# KiCad board JumperlessRev3point1.kicad_pcb (continued)
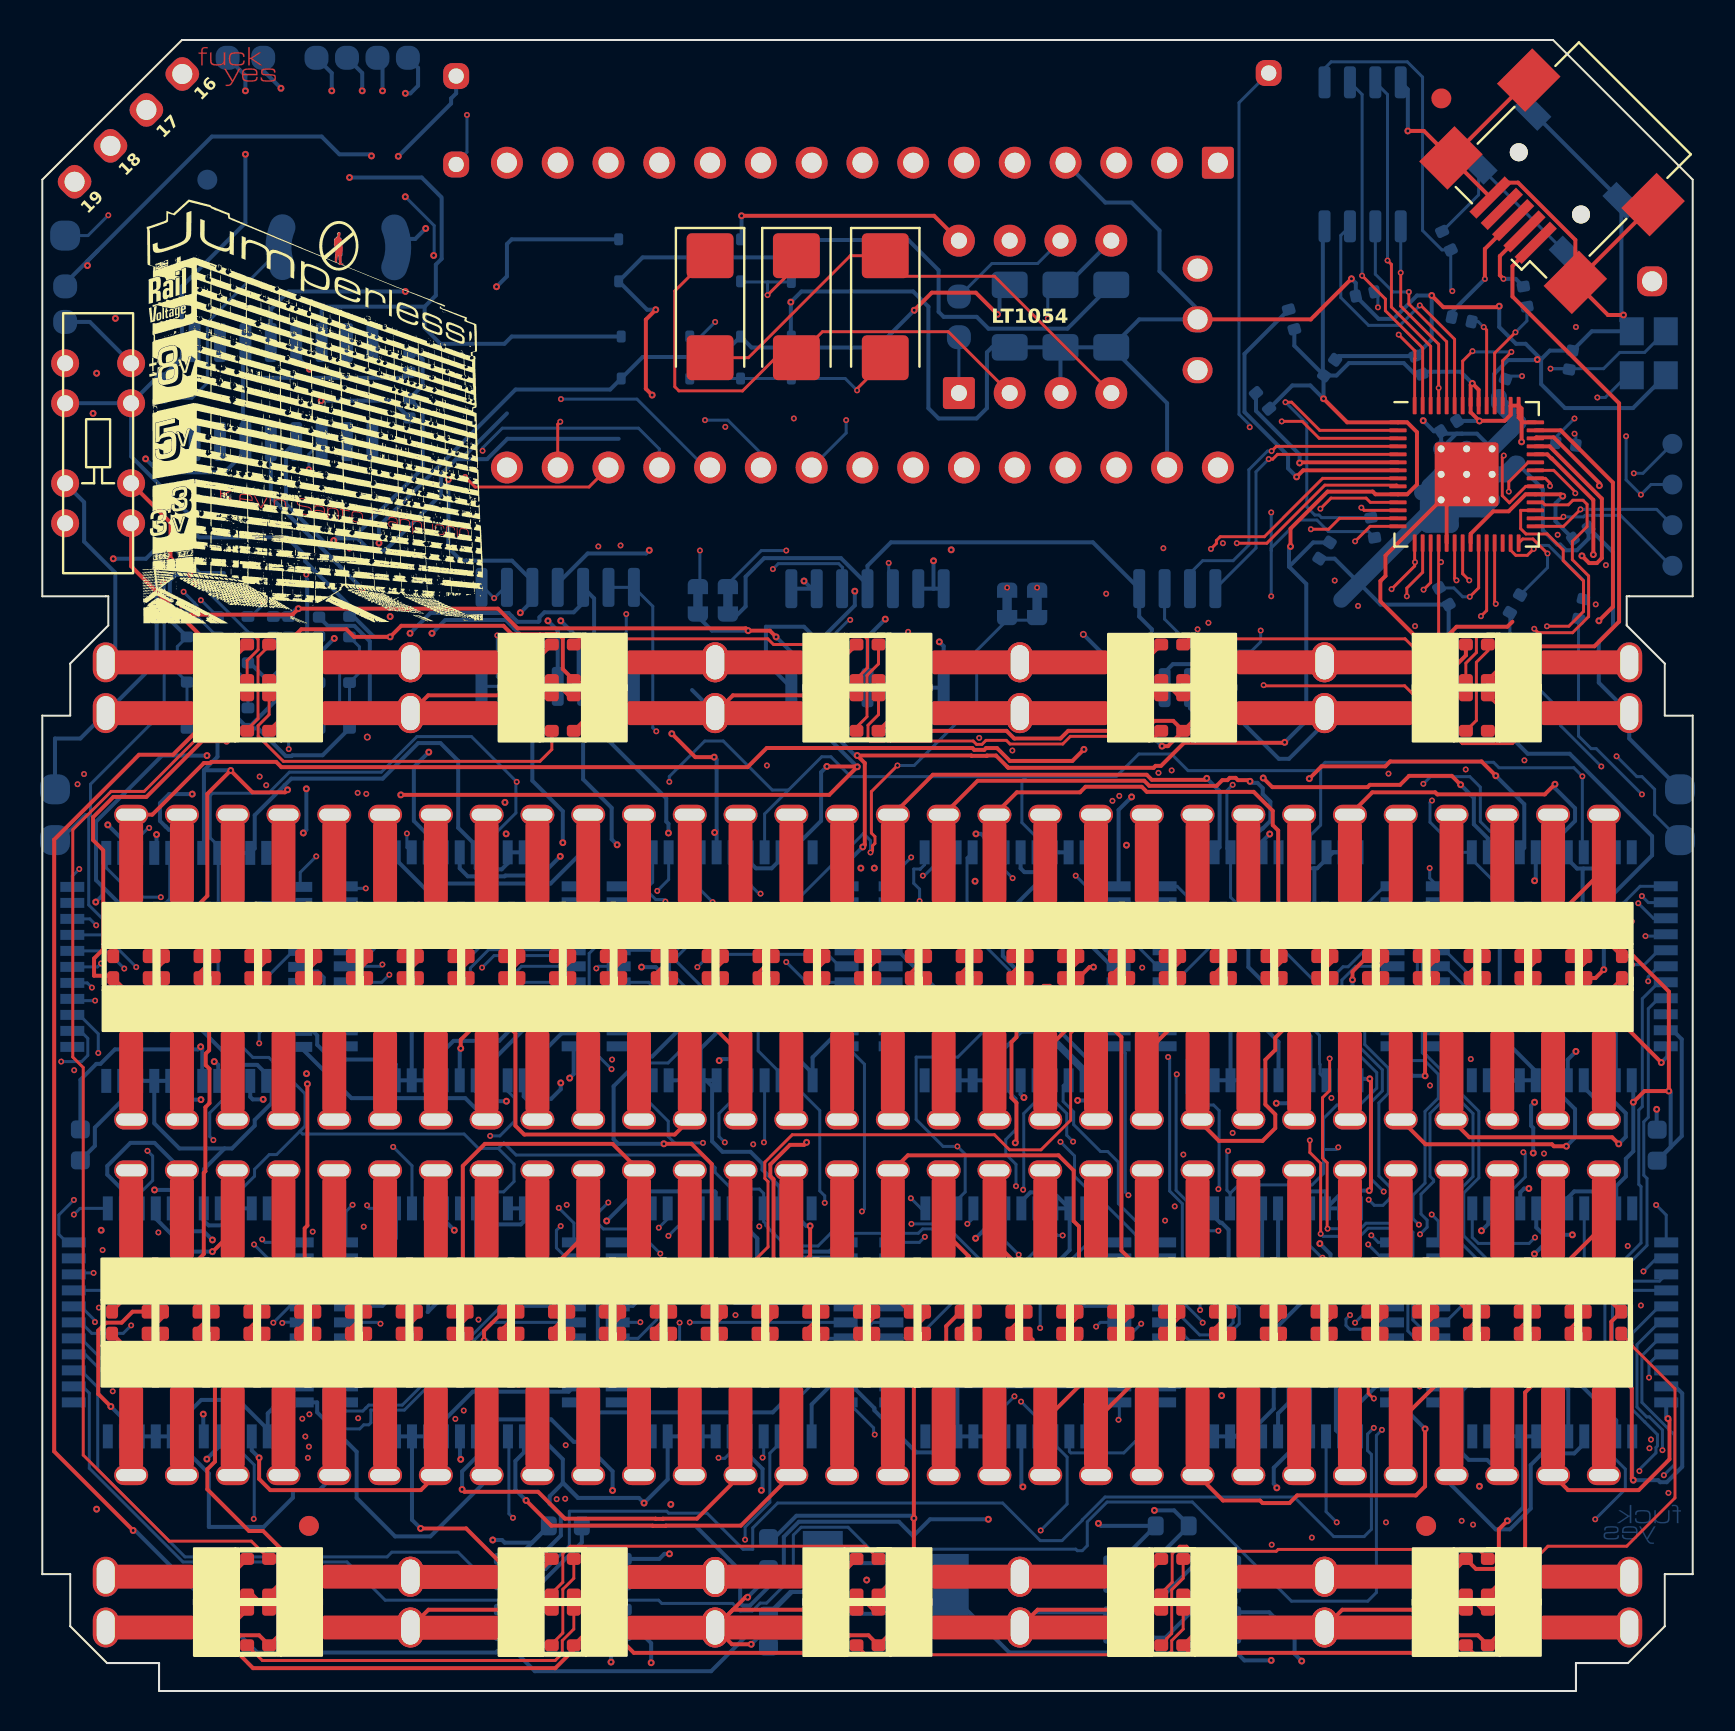
[diagram p0: board, top side]
## Routing (per net, layer and track width the routed paths; a pad name or vN(x,y) marks a point on that pad's centre or on a via; arc(x,y) is an arc through that point) (continued)
  Bottom w0.2: v2(38.69,16.09) 36.53,13.93 27.09,13.93 F5.11
47: length 40.6
  Top w0.2: J4.48 43.3,26.78 50.83,26.78 51.59,26.02 51.59,23.5 51.86,23.23 51.86,21.6 52.17,21.29 54.22,21.29 54.8,20.7 59.26,20.7 v2(59.33,20.78)
  In2.Cu w0.2: J4.48 42.55,19.09 42.53,19.11 42.53,20.39 42.55,20.41 J4.48
  Bottom w0.2: 58.61,23.72 58.92,23.41 58.99,23.41 59.33,23.07 v2(59.33,20.78)
48: length 41.5
  Top w0.2: J4.49 45.09,22.99 46.34,21.73 46.25,21.64 v2(46.25,21.51)
  In1.Cu w0.2: v2(46.25,21.51) 46.28,21.54 48.55,21.54 48.85,21.23 51.08,21.23 52.26,20.05 60.06,20.05 v2(60.5,20.49)
  In2.Cu w0.2: J4.49 45.09,21.57 43.79,20.27 42.88,20.27 42.88,19.25 43.13,19 43.13,12.75 J4.49
  Bottom w0.2: G1.37 60.21,20.78 v2(60.5,20.49)
49: length 38.7
  Top w0.2: J4.50 47.62,22.45 48.69,21.39 51.43,21.39 52.46,20.35 59.52,20.35 60.09,20.92 61.36,20.92 61.9,20.38 61.98,20.38 v2(62.05,20.3)
  In2.Cu w0.2: J4.50 J4.50
  Bottom w0.2: G1.39 61.81,21.14 61.65,20.98 61.65,20.63 61.9,20.38 61.98,20.38 v2(62.05,20.3)
50: length 35.4
  Top w0.2: v2(62.33,16.26) 62.04,16.55 60.67,16.55 60.33,16.89 58.82,16.89 58.44,16.51 53.13,16.51 50.17,13.55 J4.51
  In2.Cu w0.2: 50.26,10.89 50.26,25.94
  Bottom w0.2: v2(62.33,16.26) 62.33,14.4 61.81,13.88 G1.17
51: length 33.2
  Top w0.2: v2(63.57,15.83) 62.16,15.83 61.95,16.03 60.27,16.03 59.95,16.35 59.02,16.35 58.66,15.99 56.64,15.99 56.1,15.44 54.61,15.44 52.7,13.54 J4.52
  In2.Cu w0.2: 52.98,25.76 52.98,18.88 52.67,18.57 52.56,18.57 52.36,18.36 52.36,18.07 52.43,18 52.43,11.07
  Bottom w0.2: v2(63.57,15.83) 63.41,15.68 G1.15
52: length 36.8
  Top w0.2: 55.25,14.12 J4.53
  In1.Cu w0.2: v2(58.99,14.77) 59,14.76 63.55,14.76 64.3,15.5 v2(64.7,15.5)
  In2.Cu w0.2: 55.47,25.81 55.47,17.35 54.23,16.1 54.23,11.81 J4.53 56,10.05 58.51,10.05 59.08,10.62 59.08,14.67 v2(58.99,14.77)
  Bottom w0.2: v2(64.7,15.5) 64.7,13.04 G1.13
53: length 33.2
  Top w0.2: v2(69.16,13.11) 69.16,10.24 68.71,9.78 62.76,9.78 62.38,9.4 61.04,9.4 60.91,9.53 59.06,9.53 J4.54
  In2.Cu w0.2: 58.04,25.78 57.56,25.3 57.56,16.78 58.79,15.56 57.78,14.55 J4.54
  Bottom w0.2: v2(69.16,13.11) 67.84,14.43
54: length 30.5
  In1.Cu w0.2: J4.55 61.87,24.49 65.3,24.49 65.76,24.04 67.65,24.04 68.33,24.71 70.28,24.71 v2(71.98,23.01)
  In2.Cu w0.2: J4.55 60.33,19.8 60.6,20.07 60.68,20.07 60.93,20.32 60.93,20.4 60.95,20.42 60.95,25.41 J4.55
  Bottom w0.2: H1.35 72.32,23.35 v2(71.98,23.01)
55: length 28.4
  In1.Cu w0.2: 63.53,26.03 64.28,26.78 71.49,26.78 71.92,26.35 71.92,25.66 72.46,25.12 v2(74.35,25.12)
  In2.Cu w0.2: 62.78,10.88 62.78,19.12 62.5,19.4 62.5,20.62 62.5,20.63 62.5,20.98 62.5,20.98 62.5,25.67
  Bottom w0.2: H1.37 73.92,24.93 74.12,25.12 v2(74.35,25.12)
56: length 30.8
  In1.Cu w0.2: v2(76.53,22.81) 76.12,22.81 74.3,24.63 72.46,24.63 71.83,25.27 67.32,25.27 67.22,25.37 66.55,25.37 66.53,25.39 66.22,25.39 66.19,25.37 66.16,25.37 66.16,25.37 66.07,25.37 J4.57
  In2.Cu w0.2: J4.57 64.69,25.32 64.69,24.19 64.71,24.16 64.71,20.95 64.32,20.55 64.32,17.61 64.31,17.6 64.31,17.55 64.14,17.38 64.14,16.38 64.32,16.2 64.32,11.88 J4.57
  Bottom w0.2: v2(76.53,22.81) 76.05,22.81 75.52,23.33 H1.39
57: length 31.3
  Top w0.2: J4.58 67.95,13.54 70.5,16.09 74.56,16.09 74.78,15.87 v2(74.93,15.87)
  In2.Cu w0.2: J4.58 69.95,24.03 69.95,21 70.15,20.8 70.15,13 J4.58
  Bottom w0.2: H1.17 75.52,15.27 v2(74.93,15.87)
58: length 27.4
  In2.Cu w0.2: J4.59 71.28,11.59 71.28,14.28 71.75,14.76 71.75,20.43 71.25,20.93 71.25,21.04 70.9,21.39 70.9,24.63 70.48,25.05 J4.59
  Bottom w0.2: J4.59 70.48,10.29 72.69,8.08 73.4,8.08 74.45,9.13 74.45,11.3 75.02,11.88 76.62,11.88 77.12,12.38
59: length 32.2
  In2.Cu w0.2: J4.60 73.03,21.67 73.88,20.81 73.88,15.37 73.81,15.29 73.81,12.58 73.03,11.8 J4.60
  Bottom w0.2: J4.60 72.26,11.56 71.35,11.56 71.02,11.88 71.02,15.02 72.92,16.91 75.35,16.91 78.72,13.53 H1.13
60: length 26.3
  Top w0.2: J4.61 76.31,10.05 79.85,10.05 81.39,11.58 81.39,13.55 v2(81.31,13.62)
  In2.Cu w0.2: J4.61 75.56,21.52 74.81,22.28 74.34,22.28 74.26,22.36 74.26,23.06 75.56,24.36 J4.61
  Bottom w0.2: v2(81.31,13.62) 81.22,13.71 H1.11
61: length 57.9
  Top w0.2: v2(52.75,33.9) 52.77,33.9 53.98,32.69 53.98,22.02 54.73,21.27 69.01,21.27 69.63,20.65 71.81,20.65 72.34,21.18 74.98,21.18 75.49,20.68 78.11,23.29 J4.62
  In2.Cu w0.2: J4.62 78.11,15.95 77.76,16.3 77.76,19.61 78.11,19.96 J4.62
  Bottom w0.2: 53.48,34.63 v2(52.75,33.9)
/AB0: length 17.4
  In1.Cu w0.15: v1(16.33,38.2) 14.96,36.83 4.81,36.83 v1(4.1,36.12)
  Bottom w0.15: B1.31 15.9,38.63 v1(16.33,38.2) ; A2.29 3.22,37.01 v1(4.1,36.12)
/AB1: length 15.1
  In1.Cu w0.15: v1(14.12,38.11) 13.91,37.9 3.63,37.9 2.84,37.11 2.84,36.48 v1(2.94,36.38)
  Bottom w0.15: B1.30 14.4,37.83 v1(14.12,38.11) ; v1(2.94,36.38) 2.77,36.21 A2.28
/AC0: length 77.3
  In1.Cu w0.15: v1(2.09,45.85) 2.66,46.41 9.89,46.41 9.94,46.47 15.92,46.47 16.04,46.59 22.99,46.59 23.18,46.78 32.31,46.78 33.24,45.86 55.26,45.86 55.63,46.23 56.29,46.23 v1(56.49,46.03)
  In2.Cu w0.15: v1(2.09,45.85) 2.09,44.66 1.77,44.35 1.77,41.48 1.52,41.23 1.52,36.13 v1(2.48,35.17) ; v1(56.49,46.03) 56.62,45.9 56.62,39.28 v1(57.49,38.41)
  Bottom w0.15: v1(57.49,38.41) 57.26,38.64 C26.31 ; v1(2.48,35.17) 2.25,35.41 A2.27
/AC1: length 77.5
  In1.Cu w0.15: v1(1.76,45.34) 1.78,45.32 9.76,45.32 10.64,46.2 16.01,46.2 16.15,46.34 23.09,46.34 23.28,46.53 32.21,46.53 33.14,45.61 55.53,45.61 v1(55.83,45.91)
  In2.Cu w0.15: v1(1.76,45.34) 0.98,44.56 0.98,40.94 1.14,40.79 1.14,36.02 v1(2.64,34.52) ; v1(55.83,45.91) 56.32,45.42 56.32,39.02 v1(57.23,38.11)
  Bottom w0.15: C26.30 56.95,37.84 v1(57.23,38.11) ; v1(2.64,34.52) 1.59,34.52
/AD0: length 80.1
  In1.Cu w0.15: v1(10.87,45.72) 11.1,45.95 16.11,45.95 16.25,46.09 23.2,46.09 23.39,46.28 31.7,46.28 32.63,45.36 57.47,45.36 58.83,46.72 70.55,46.72 v1(71.2,46.08)
  In2.Cu w0.15: v1(10.57,38.66) 10.6,38.69 10.6,45.52 10.74,45.67 10.82,45.67 v1(10.87,45.72) ; v1(70.88,39.05) 71.68,39.84 71.68,45.59 v1(71.2,46.08)
  Bottom w0.15: 12.55,38.61 12.15,39.01 10.91,39.01 v1(10.57,38.66) ; D70.31 70.47,38.64 v1(70.88,39.05)
/AD1: length 75.7
  In1.Cu w0.15: v1(67.33,45.87) 66.2,44.73 56.62,44.73 56.24,45.11 32.52,45.11 31.6,46.03 23.49,46.03 23.3,45.84 16.36,45.84 16.22,45.7 11.62,45.7 v1(11.2,45.29)
  In2.Cu w0.15: v1(67.33,45.87) 67.33,45.82 69.02,44.14 69.02,41.7 68.63,41.31 v1(68.63,39.12) ; v1(11.15,38.48) 10.99,38.64 10.99,45.08 v1(11.2,45.29)
  Bottom w0.15: v1(11.15,38.48) 11.83,37.81 A2.4 ; 69.45,37.84 68.63,38.66 v1(68.63,39.12)
/AE0: length 25.7
  In1.Cu w0.15: v1(1.59,31.04) 1.59,31.2 4.48,34.09 9.22,34.09 v1(9.54,33.77)
  In2.Cu w0.15: v1(1.59,31.04) 1.25,30.7 1.25,23.69 1.29,23.65 1.29,22.18 v1(2.57,20.9)
  Bottom w0.15: v1(9.54,33.77) 9.54,33.99 12.55,37.01 ; v1(2.57,20.9) 1.65,20.9
/AF0: length 17.4
  In2.Cu w0.15: v1(11.43,34.06) 12.09,33.4 12.09,30.66 13.14,29.61 13.14,25.73 12.93,25.52 12.93,22.09 v1(14.16,20.86)
  Bottom w0.15: F5.31 14.19,20.83 v1(14.16,20.86) ; v1(11.43,34.06) 11.43,34.28 12.55,35.41
/AF1: length 21.5
  In1.Cu w0.15: v1(16.01,20.39) 15.94,20.31 11.26,20.31 v1(11.05,20.52)
  In2.Cu w0.15: v1(10.85,32.39) 10.85,30.38 11.45,29.78 11.45,29.35 10.85,28.75 10.85,25.48 10.15,24.78 10.15,21.78 10.77,21.16 10.77,20.8 v1(11.05,20.52)
  Bottom w0.15: 12.55,34.61 10.85,32.9 v1(10.85,32.39) ; 15.66,20.03 v1(16.01,20.39)
/AG0: length 72.9
  In1.Cu w0.15: v1(3.45,20.55) 4.74,20.55 5.37,19.92 38.23,19.92 38.95,20.64 41.82,20.64 43.63,18.83 48.17,18.83 48.53,19.19 57.78,19.19 v1(57.91,19.05)
  In2.Cu w0.15: v1(3.45,20.55) 2.29,21.72 2.29,24.33 2.06,24.55 2.06,31.16 v1(2.8,31.9)
  Bottom w0.15: 56.46,20.83 57.91,19.38 v1(57.91,19.05) ; v1(2.8,31.9) 2.8,32.86 1.85,33.81
/AG1: length 75
  In1.Cu w0.15: v1(2.83,19.17) 37.83,19.17 39.05,20.39 41.71,20.39 43.53,18.58 48.27,18.58 48.63,18.94 57.52,18.94 v1(58.04,18.41)
  In2.Cu w0.15: v1(2.83,19.17) 1,20.99 1,31.41 v1(0.95,31.47)
  Bottom w0.15: v1(0.95,31.47) 1.97,31.47 2.28,31.78 2.28,32.63 1.9,33.01 ; v1(58.04,18.41) 58.04,18.45 56.46,20.03
/AH0: length 78.7
  In1.Cu w0.15: v1(17.2,21.33) 17.4,21.53 18.08,21.53 18.08,21.53 27.33,21.53 27.46,21.66 27.93,21.66 28.06,21.53 31.39,21.53 32.32,22.46 33.27,22.46 33.46,22.65 40.6,22.65 40.61,22.64 42.64,22.64 42.94,22.34 44.46,22.34 44.58,22.22 48.23,22.22 48.46,22.45 55.41,22.45 56.07,21.78 63.2,21.78 63.93,21.05 68.45,21.05 68.72,20.78 v1(68.94,20.78)
  In2.Cu w0.15: v1(17.2,21.33) 14.86,23.67 14.86,24.51 15.68,25.33 15.68,38.68 13.7,40.66 v1(13.7,41.73)
  Bottom w0.15: v1(13.7,41.73) 12.9,40.93 A2.1 ; H1.31 68.99,20.83 v1(68.94,20.78)
/AH1: length 83.7
  In1.Cu w0.15: v1(10.41,21.01) 10.72,21.31 15.72,21.31 16.56,20.47 17.37,20.47 18.19,21.28 27.43,21.28 27.56,21.41 27.83,21.41 27.96,21.28 31.52,21.28 32.45,22.21 33.37,22.21 33.56,22.4 40.5,22.4 40.51,22.39 42.54,22.39 42.84,22.09 44.35,22.09 44.48,21.97 48.47,21.97 48.67,22.17 55.34,22.17 55.97,21.53 63.1,21.53 63.83,20.8 67.84,20.8 68.41,20.23 v1(68.92,20.23)
  In2.Cu w0.15: v1(9.88,38.6) 9.92,38.55 9.92,30.26 10.22,29.97 10.22,29.89 10.6,29.51 10.6,25.73 9.85,24.98 9.85,21.57 v1(10.41,21.01)
  Bottom w0.15: H1.30 69.12,20.03 v1(68.92,20.23) ; v1(9.88,38.6) 10.69,39.41 A2.2
/BC0: length 60.5
  In1.Cu w0.15: v1(15.77,44.91) 16.46,45.59 23.4,45.59 23.59,45.78 31.5,45.78 32.42,44.86 53.76,44.86 v1(53.87,44.75)
  In2.Cu w0.15: v1(53.87,44.75) 54.15,44.47 54.15,44.13 54.17,44.12 54.17,43.51 53.34,42.68 53.34,40.76 53.95,40.15 53.95,39.51 55.15,38.32 v1(55.15,38.18) ; v1(15.77,44.91) 15.77,41.17 15.35,40.74 15.35,39.7 17.36,37.68 v1(17.36,35.81)
  Bottom w0.15: 55.78,37.04 55.15,37.67 v1(55.15,38.18) ; B1.27 16.98,35.43 v1(17.36,35.81)
/BC1: length 61.4
  In1.Cu w0.15: v1(53.53,44.51) 23.77,44.51 23.09,45.19 16.54,45.19 v1(16.21,44.86)
  In2.Cu w0.15: v1(54.76,38.1) 53.09,39.77 53.09,42.79 53.87,43.57 53.87,44.16 v1(53.53,44.51) ; v1(16.87,34.38) 17.83,35.35 17.83,37.57 15.67,39.73 15.67,40.64 16.07,41.04 16.07,44.72 v1(16.21,44.86)
  Bottom w0.15: v1(54.76,38.1) 54.76,37.26 55.78,36.24 ; v1(16.87,34.38) 16.61,34.63 B1.26
/BD0: length 66.2
  In1.Cu w0.15: v1(72.55,33.77) 71.2,32.42 71.09,32.42 71.06,32.4 56.19,32.4 55.98,32.4 35.96,32.4 34.97,33.38 32.86,33.38 32.25,32.77 32.25,32.77 31.88,32.4 30.56,32.4 30.28,32.68 24.68,32.68 24.66,32.65 24.66,32.65 22.54,32.65 v1(21.26,33.93)
  Bottom w0.15: v1(21.26,33.93) 21.11,34.08 21.11,36.43 22.01,37.33 24.92,37.33 26.23,38.63 ; 70.15,37.04 72.55,34.64 v1(72.55,33.77)
/BD1: length 63.3
  In1.Cu w0.15: v1(72.16,33.84) 70.98,32.67 56.11,32.67 56.09,32.65 36.06,32.65 35.07,33.63 32.76,33.63 32,32.88 32,32.87 31.78,32.65 30.66,32.65 30.39,32.93 24.58,32.93 24.56,32.9 22.92,32.9 v1(21.79,34.04)
  Bottom w0.15: 70.15,36.24 72.16,34.23 v1(72.16,33.84) ; 26.23,37.83 25.46,37.07 22.33,37.07 21.41,36.15 21.41,34.42 v1(21.79,34.04)
/BE0: length 44.5
  In1.Cu w0.15: v1(20.42,17.17) 20.4,17.14 3.94,17.14 v1(2.63,18.45)
  In2.Cu w0.15: v1(20.42,17.17) 21.01,17.76 21.01,23.28 20.9,23.39 20.9,31.51 21.33,31.94 21.33,32.3 20.9,32.73 20.9,35.07 v1(22,36.17)
  Bottom w0.15: 1.93,19.23 2.63,18.52 v1(2.63,18.45) ; v1(22,36.17) 22.6,36.77 26.32,36.77 B1.5
/BE1: length 42.6
  In1.Cu w0.15: v1(4.45,18.28) 4.92,17.81 21.06,17.81 v1(21.82,18.57)
  In2.Cu w0.15: v1(22.07,34.33) 22.17,34.22 22.17,29.9 21.15,28.88 21.15,23.56 21.52,23.19 21.52,18.87 v1(21.82,18.57)
  Bottom w0.15: B1.6 23.97,36.23 v1(22.07,34.33) ; 1.93,18.43 2.48,17.88 4.05,17.88 v1(4.45,18.28)
/BF0: length 26.9
  In2.Cu w0.15: v1(18.88,34.38) 18.88,29.56 18.22,28.91 18.22,25.7 17.96,25.44 17.96,20.57 18.15,20.39 v1(18.18,20.39)
  Bottom w0.15: B1.7 23.72,35.43 21.66,33.38 19.88,33.38 v1(18.88,34.38) ; v1(18.18,20.39) 17.02,19.23 F5.29
/BG0: length 61.6
  In1.Cu w0.15: v1(16.97,33.88) 17.09,34.01 20.68,34.01 22.28,32.4 22.44,32.4 24.76,32.4 24.77,32.4 24.79,32.43 30.18,32.43 30.46,32.15 31.99,32.15 32.5,32.67 32.65,32.82 32.65,32.82 32.97,33.13 34.87,33.13 35.85,32.15 55.86,32.15 v1(56.31,31.7)
  Bottom w0.15: B1.25 16.92,33.83 v1(16.97,33.88) ; 56.46,19.23 57.89,17.81 58.96,17.81 59.56,18.41 59.56,18.85 57.02,21.39 57.02,24.36 56.39,25 56.39,31.62 v1(56.31,31.7)
/BG1: length 61.8
  In1.Cu w0.15: v1(17.98,33.4) 19.66,31.72 24.79,31.72 24.99,31.93 28.88,31.93 29.15,31.65 32.19,31.65 33.35,32.81 34.5,32.81 35.59,31.71 55.45,31.71 56.33,30.84 v1(56.74,30.84)
  Bottom w0.15: v1(17.98,33.4) 17.62,33.03 B1.24 ; 56.46,18.43 57.37,17.53 59.03,17.53 59.87,18.36 59.87,19.13 57.28,21.72 57.28,24.46 56.71,25.03 56.71,30.8 v1(56.74,30.84)
/BH0: length 65.8
  In1.Cu w0.15: v1(28.47,31.09) 32.33,31.09 33.55,32.31 34.29,32.31 35.88,30.72 55.66,30.72 56.21,30.18 57.25,30.18 58.06,30.99 64.77,30.99 65,31.22 67.97,31.22 69.01,30.18 69.31,30.18 v1(69.41,30.28)
  In2.Cu w0.15: v1(71.26,20.25) 70.92,20.59 70.92,20.91 70.57,21.26 70.57,24.5 69.41,25.66 v1(69.41,30.28)
  Bottom w0.15: 26.93,40.23 28.05,39.11 28.05,37.58 27.35,36.88 27.35,33.56 27.4,33.51 27.4,32.16 v1(28.47,31.09) ; 70.24,19.23 v1(71.26,20.25)
/BH1: length 67.8
  In1.Cu w0.15: v1(71.45,31.6) 64.92,31.6 64.56,31.24 57.84,31.24 57.02,30.42 56.31,30.42 55.32,31.42 35.54,31.42 34.4,32.56 33.45,32.56 32.24,31.35 28.72,31.35 v1(28.5,31.57)
  In2.Cu w0.15: v1(27.66,38.01) 28.84,36.83 28.84,31.92 v1(28.5,31.57) ; v1(71.65,21.1) 71.22,21.52 71.22,24.57 71.56,24.91 71.56,31.49 v1(71.45,31.6)
  Bottom w0.15: 70.17,18.43 71.65,19.9 v1(71.65,21.1) ; 26.93,39.43 27.66,38.7 v1(27.66,38.01)
/CD0: length 3.8
  Bottom w0.15: 67.88,38.64 69.03,37.49 69.03,35.72 69.31,35.44
/CD1: length 3.8
  Bottom w0.15: 67.88,37.84 68.78,36.94 68.78,35.26 69.4,34.64
/CE0: length 93.9
  In1.Cu w0.15: v1(66.64,15.62) 65.53,14.51 64.32,14.51 63.89,14.08 54.89,14.08 53.84,15.12 48.24,15.12 47.89,14.77 44.1,14.77 44.1,14.77 41.36,14.77 40.7,14.11 35.1,14.11 34.97,14.24 34.87,14.24 34.61,14.49 30.04,14.49 29.88,14.65 22.04,14.65 21.75,14.94 20.69,14.94 20.61,14.85 16.3,14.85 4.41,14.85 v1(3.54,15.72)
  In2.Cu w0.15: v1(66.64,15.62) 67.16,16.13 67.16,20.22 65.71,21.66 65.71,22.94 67.12,24.34 67.12,24.94 v1(67.09,24.97)
  Bottom w0.15: 1.93,17.63 3.54,16.02 v1(3.54,15.72) ; 67.18,37.04 66.14,37.04 65.31,36.21 65.06,36.21 64.75,35.9 64.75,34.72 65.8,33.67 65.8,32.28 67.03,31.06 67.03,30 66.48,29.46 66.48,25.58 v1(67.09,24.97)
/CE1: length 92.7
  In1.Cu w0.15: v1(65.13,15.47) 65.13,15.43 64.85,15.15 64.61,15.15 63.79,14.33 54.99,14.33 53.95,15.37 48.14,15.37 47.79,15.02 44,15.02 44,15.02 41.25,15.02 40.59,14.36 35.2,14.36 34.82,14.74 30.15,14.74 29.99,14.9 22.15,14.9 21.86,15.19 20.59,15.19 20.5,15.1 16.4,15.1 15.27,16.23 3.15,16.23 v1(3.15,15.82)
  In2.Cu w0.15: v1(66.34,24.56) 65.04,23.26 65.04,20.61 64.66,20.23 64.66,16.32 65.13,15.85 v1(65.13,15.47)
  Bottom w0.15: E1.26 2.14,16.83 v1(3.15,15.82) ; v1(66.34,24.56) 66.62,24.28 67.06,24.28 67.43,24.65 67.43,25.18 66.85,25.75 66.85,29.41 67.32,29.88 67.32,31.14 66.15,32.32 66.15,33.68 65,34.83 65,35.55 65.69,36.24 67.18,36.24
/CF0: length 77
  In1.Cu w0.15: v1(68.55,16.31) 67.17,17.69 49.83,17.69 49.65,17.51 44.49,17.51 44.35,17.38 43.53,17.38 43.5,17.36 39.24,17.36 38.57,16.69 38.44,16.69 38.39,16.64 37.76,16.64 37.06,17.34 24.5,17.34 23.95,16.78 23.95,16.73 23.61,16.39 23.13,16.39 23.08,16.44 19.34,16.44 19,16.1 18.64,16.1 18.14,16.6 v1(16.43,16.6)
  In2.Cu w0.15: v1(68.91,22.83) 69.32,22.42 69.32,17.08 v1(68.55,16.31)
  Bottom w0.15: v1(68.91,22.83) 69.27,23.19 69.27,23.55 68.96,23.85 68.96,24.84 69.59,25.47 69.59,25.55 69.41,25.73 69.41,28.88 70.08,29.54 70.08,30.93 69.24,31.77 69.17,31.77 69.03,31.91 69.03,34.29 67.88,35.44 ; 15.62,17.63 16.43,16.81 v1(16.43,16.6)
/CF1: length 77.3
  In1.Cu w0.15: v1(16.81,16.28) 17.24,15.85 19.11,15.85 19.45,16.19 22.98,16.19 23.03,16.14 23.71,16.14 24.66,17.09 36.96,17.09 37.66,16.39 38.5,16.39 38.55,16.44 38.68,16.44 39.34,17.11 43.61,17.11 43.63,17.13 44.46,17.13 44.59,17.26 49.75,17.26 49.93,17.44 66.89,17.44 68.38,15.95 v1(68.78,15.95)
  In2.Cu w0.15: v1(68.85,23.32) 68.96,23.32 69.62,22.65 69.62,16.79 v1(68.78,15.95)
  Bottom w0.15: v1(68.85,23.32) 68.56,23.61 68.56,24.79 69.16,25.39 69.16,28.98 69.82,29.64 69.82,30.84 69.14,31.52 68.38,31.52 68.38,34.14 67.88,34.64 ; F5.26 15.94,16.83 16.11,16.66 16.11,16.47 16.3,16.28 v1(16.81,16.28)
/CG0: length 26.1
  In2.Cu w0.15: v1(58.83,25.1) 59.59,24.33 59.59,22.35 58.8,21.56 58.8,16.86 v1(59.67,15.99)
  Bottom w0.15: v1(58.83,25.1) 58.86,25.13 58.86,29.02 58.58,29.3 57.87,29.3 57.25,29.92 57.25,31.55 57.99,32.28 57.99,34.06 57.81,34.24 56.88,34.24 56.48,33.84 ; 56.46,17.63 58.1,15.99 v1(59.67,15.99)
/CH0: length 29.2
  Top w0.15: v1(64.39,31.62) 64.39,30.02 64.03,29.67 64.03,26.65 64.26,26.41 64.26,23.14 v1(64.29,23.11)
  In2.Cu w0.15: v1(64.39,31.62) 65.11,32.35 65.11,35.01 64.9,35.22 64.9,37.99 v1(64.83,38.07)
  Bottom w0.15: v1(64.83,38.07) 64.92,38.16 65.2,38.16 65.39,38.35 65.39,38.49 67.13,40.24 ; 69.47,17.63 68.56,18.55 68.56,20.88 68.55,22.94 68.11,23.39 66.21,23.39 65.94,23.11 v1(64.29,23.11)
/CH1: length 32.4
  Top w0.15: v1(63.94,22.86) 63.94,26.39 63.4,26.93 v1(63.4,27.53)
  In1.Cu w0.15: v1(63.4,27.53) 64.33,28.47 64.33,29.5 v1(64.48,29.65)
  In2.Cu w0.15: v1(64.48,29.65) 65.41,30.59 65.41,35.06 65.15,35.32 65.15,38.4 v1(65.07,38.49)
  Bottom w0.15: 67.18,39.44 65.49,37.74 64.69,37.74 64.5,37.93 64.5,38.2 64.78,38.49 v1(65.07,38.49) ; v1(63.94,22.86) 64.07,22.73 65.91,22.73 66.31,23.14 67.92,23.14 68.31,22.75 68.31,18 69.47,16.83
/DE0: length 99.1
  In1.Cu w0.15: v1(13.36,13.84) 13.92,13.28 24.22,13.28 24.34,13.4 29.37,13.4 29.52,13.24 34.1,13.24 34.35,12.99 34.46,12.99 34.58,12.86 41.21,12.86 41.57,13.22 49.36,13.22 50.05,13.91 53.99,13.91 54.57,13.33 64.2,13.33 64.63,13.76 76.16,13.76 76.52,13.76 76.56,13.76 v1(78.47,15.67)
  In2.Cu w0.15: v1(11.76,20.93) 13.26,19.43 13.26,13.94 v1(13.36,13.84) ; v1(78.47,15.67) 78.54,15.73 78.54,25.09 79.25,25.8 79.25,28.68 79.18,28.75 79.18,28.88 78.91,29.15 78.91,30 79.04,30.13 79.04,35.84 v1(79.51,36.32)
  Bottom w0.15: v1(11.76,20.93) 12.88,20.93 ; 80.85,37.04 80.14,36.32 v1(79.51,36.32)
/DE1: length 104.2
  In1.Cu w0.15: v1(80.39,12.14) 38.92,12.14 38.44,12.61 34.48,12.61 34.35,12.74 34.25,12.74 33.99,12.99 29.42,12.99 29.26,13.15 25.29,13.15 25.14,13 13.62,13 v1(13,13.61)
  In2.Cu w0.15: v1(11.28,20.9) 13,19.18 v1(13,13.61) ; v1(80.32,35.49) 80.29,35.46 80.29,21.92 79.65,21.29 79.65,20.9 80.37,20.19 80.37,16.74 78.97,15.34 78.97,13.55 v1(80.39,12.14)
  Bottom w0.15: E1.4 12.15,20.03 v1(11.28,20.9) ; v1(80.32,35.49) 80.32,35.71 80.85,36.24
/DF0: length 94
  In1.Cu w0.15: v1(78.16,16.43) 78.16,15.75 76.41,14.01 76.05,14.01 64.53,14.01 64.1,13.58 54.68,13.58 54.09,14.16 49.95,14.16 49.28,13.49 41.49,13.49 41.11,13.11 34.69,13.11 34.56,13.24 34.45,13.24 34.2,13.49 29.63,13.49 29.47,13.65 20.7,13.65 v1(20.66,13.6)
  In2.Cu w0.15: v1(21.9,20.61) 22.14,20.37 22.14,20.23 22.48,19.89 22.48,18.77 20.66,16.95 v1(20.66,13.6)
  Bottom w0.15: 80.85,35.44 80.03,34.61 80.03,29.22 79.85,29.05 79.85,25.33 79.96,25.22 79.96,22.4 78.16,20.6 v1(78.16,16.43) ; F5.3 26.24,20.83 25.7,20.29 25.7,20.22 25.51,20.02 24.81,20.02 24.02,20.81 24.02,20.82 23.83,21.01 23.56,21.01 23.38,20.83 22.7,20.83 22.52,21.01 22.25,21.01 22.07,20.83 22.07,20.78 v1(21.9,20.61)
/DF1: length 90.8
  In1.Cu w0.15: v1(77.59,15.9) 75.95,14.26 64.42,14.26 63.99,13.83 54.78,13.83 54.2,14.41 49.77,14.41 49.12,13.77 48.59,13.77 48.56,13.74 41.39,13.74 41.01,13.36 34.79,13.36 34.66,13.49 34.56,13.49 34.3,13.74 29.73,13.74 29.57,13.9 21.21,13.9 v1(21.08,14.02)
  In2.Cu w0.15: v1(21.08,14.02) 21.08,17.02 22.73,18.66 22.73,19.99 22.39,20.34 v1(22.39,20.61)
  Bottom w0.15: v1(22.39,20.61) 23.51,19.48 25.64,19.48 26.19,20.03 ; v1(77.59,15.9) 78.18,15.9 78.54,16.26 78.54,20.55 80.26,22.28 80.26,25.63 80.1,25.79 80.1,28.46 80.33,28.69 80.33,34.11 80.85,34.64
/DG0: length 23.6
  In1.Cu w0.15: v1(66.37,20.4) 67.18,19.58 71.91,19.58 72.9,20.57 v1(72.9,20.75)
  Bottom w0.15: v1(66.37,20.4) 66.8,20.83 G1.3 ; 70.15,33.84 70.83,33.16 70.83,30.01 71.85,28.98 71.85,25.66 71.1,24.91 71.1,22.76 72.9,20.96 v1(72.9,20.75)
/DG1: length 26.2
  In1.Cu w0.15: v1(73.36,20.73) 73.36,20.23 72.46,19.33 66.92,19.33 v1(65.84,20.42)
  Bottom w0.15: v1(65.84,20.42) 66.23,20.03 G1.4 ; v1(73.36,20.73) 73.33,20.7 73.33,20.32 72.56,20.32 72.01,20.87 72.01,21.35 70.85,22.51 70.85,25.01 71.56,25.72 71.56,28.88 70.58,29.86 70.58,32.61 70.15,33.04
/DH0: length 27.2
  In1.Cu w0.15: v1(79.04,20.47) 78.64,20.07 v1(77.65,20.07)
  In2.Cu w0.15: v1(78.14,38.45) 78.49,38.11 78.49,30.35 76.94,28.81 76.94,25.74 77.65,25.04 v1(77.65,20.07)
  Bottom w0.15: v1(79.04,20.47) 79.07,20.49 80.89,20.49 H1.3 ; v1(78.14,38.45) 79.92,40.24 D70.1
/EF0: length 18.4
  Bottom w0.15: F5.5 22.94,19.23 18.01,14.3 16.33,14.3 16.18,14.15 16.03,14 14.5,14 14.42,14.08 14.42,16.54 13.33,17.63
/EF1: length 18.6
  Bottom w0.15: F5.6 22.49,18.43 18.11,14.05 16.43,14.05 16.43,13.41 16.33,13.31 16.08,13.31 15.87,13.11 15.04,13.11 14.07,14.07 14.07,16.08 13.33,16.83
/EG0: length 91.8
  Top w0.15: v1(66.53,16.02) 66.32,15.81 66.32,14.88 66.55,14.66 66.57,14.66 v1(66.6,14.63)
  In2.Cu w0.15: v1(65.66,18.41) 66.5,17.58 66.5,16.18 ; v1(66.6,13.16) 66.5,13.26 66.5,14.55 66.57,14.63 v1(66.6,14.63)
  Bottom w0.15: v1(66.6,13.16) 66.29,12.84 66.29,12.02 66.48,11.83 66.48,8.09 66.12,7.72 64.59,7.72 62.62,9.7 53.16,9.7 52.02,8.56 52.02,8.53 51,7.52 49.91,7.52 48.04,9.4 36.78,9.4 35.53,8.15 35.53,7.09 35.05,7.09 33.25,8.89 31.33,8.89 31.23,8.99 26.36,8.99 26.36,7.26 25.18,6.08 22.58,6.08 22.56,6.1 21.64,6.1 20.8,6.94 17.48,6.94 17.25,6.71 7.14,6.71 2.77,11.07 2.77,15.18 1.93,16.03 ; G1.5 66.47,19.23 v1(65.66,18.41)
/EG1: length 96.5
  In2.Cu w0.15: v1(65.41,18.8) 65.21,18.59 65.21,18.28 66.14,17.35 66.14,15.63 67.01,14.76 v1(67.01,13.06)
  Bottom w0.15: 2.02,15.23 2.35,14.89 2.35,11.14 7.04,6.45 15.24,6.45 17.15,4.54 30.83,4.54 30.99,4.38 34.53,4.38 34.91,4 35.51,4 35.91,4.39 36.23,4.39 37.57,5.73 37.57,7.8 37.96,8.19 40.3,8.19 41.4,7.09 51.69,7.09 51.77,7.02 52.02,7.02 52.27,7.27 52.27,8.46 53.26,9.45 57.52,9.45 62.48,4.49 66.29,4.49 66.73,4.93 66.73,12.78 v1(67.01,13.06) ; 67.16,18.43 66.82,18.09 65.4,18.09 65.21,18.28 65.21,18.59 v1(65.41,18.8)
/EH0: length 91.2
  In1.Cu w0.15: v1(13.33,12.22) 13.4,12.28 25.51,12.28 25.88,12.65 29.06,12.65 29.21,12.49 33.79,12.49 34.04,12.24 34.14,12.24 34.27,12.11 36.43,12.11 37.02,11.52 79.36,11.52 v1(79.88,11)
  In2.Cu w0.15: v1(11,22.58) 11.15,22.58 13.86,19.87 13.86,14.35 14.14,14.06 14.14,13.03 v1(13.33,12.22)
  Bottom w0.15: E1.1 11.15,22.43 v1(11,22.58) ; 80.87,19.23 79.51,17.87 79.51,17.42 79.51,14.09 80.15,13.46 80.15,13.46 80.79,12.82 80.79,12.25 80.71,12.18 80.71,11.91 79.88,11.08 v1(79.88,11)
/EH1: length 90.1
  In1.Cu w0.15: v1(13.16,12.73) 25.6,12.73 25.77,12.9 29.16,12.9 29.32,12.74 33.89,12.74 34.14,12.49 34.25,12.49 34.38,12.36 38.04,12.36 38.58,11.81 80.81,11.81 v1(81.04,12.04)
  In2.Cu w0.15: v1(13.16,12.73) 13.84,13.41 13.84,13.94 13.56,14.22 13.56,19.74 12.02,21.29 11.63,21.29 v1(10.59,22.33)
  Bottom w0.15: v1(81.04,12.04) 81.04,13.05 80.38,13.71 80.25,13.71 79.76,14.2 79.76,17.32 80.87,18.43 ; E1.2 11.29,21.63 v1(10.59,22.33)
/FG0: length 55.2
  In1.Cu w0.15: v1(16.72,15.89) 17.01,15.6 19.74,15.6 20.03,15.89 29.92,15.89 30.15,16.12 30.56,16.12 30.94,15.74 39.54,15.74 40.31,16.51 43.71,16.51 43.84,16.63 44.66,16.63 44.8,16.76 49.96,16.76 50.14,16.94 52.02,16.94 52.22,16.74 55.7,16.74 57.18,15.27 58.01,15.27 58.37,15.62 58.37,15.65 59.38,16.66 65.05,16.66 v1(65.13,16.58)
  Bottom w0.15: v1(16.72,15.89) 16.72,15.95 16.68,15.95 16.61,16.03 16.28,16.03 16.18,15.93 15.85,15.93 15.75,16.03 F5.25 ; v1(65.13,16.58) 65.8,17.25 67.14,17.25 G1.7
/FG1: length 56
  In1.Cu w0.15: v1(61.01,15.62) 60.48,15.09 59.45,15.09 59.37,15.17 58.82,15.17 58.59,14.94 58.59,14.8 58.37,14.58 55.09,14.58 54.05,15.62 45.19,15.62 44.55,16.26 43.82,16.26 43.82,16.26 40.41,16.26 39.65,15.49 30.84,15.49 30.46,15.87 30.25,15.87 30.02,15.64 20.14,15.64 19.84,15.35 16.91,15.35 16.91,15.35 16.66,15.35 v1(16.41,15.6)
  Bottom w0.15: v1(61.01,15.62) 61.01,16.18 61.98,17.14 64.01,17.14 64.9,16.26 65.74,16.26 66.24,16.76 67.45,16.76 ; F5.24 16.04,15.23 v1(16.41,15.6)
/FH0: length 81.8
  In1.Cu w0.15: v1(81.11,10.79) 80,9.68 64.19,9.68 63.94,9.43 48.56,9.43 48.27,9.72 42.16,9.72 41.87,9.43 31.9,9.43 31.6,9.73 31.27,9.73 30.56,9.02 26.75,9.02 v1(26.15,9.61)
  In2.Cu w0.15: v1(26.15,9.61) 26.15,11.06 26.85,11.76 26.85,23.13 v1(25.83,24.16)
  Bottom w0.15: v1(25.83,24.16) 26.59,23.4 F5.1 ; v1(81.11,10.79) 81.64,11.32 81.64,12.8 80.01,14.43 80.01,16.77 80.87,17.63
/FH1: length 80.8
  In1.Cu w0.15: v1(25.73,9.59) 25.73,9.51 26.44,8.8 26.62,8.8 26.65,8.77 42.13,8.77 42.43,9.07 48,9.07 48.29,8.78 52.64,8.78 52.64,8.78 53.01,8.78 53.16,8.63 56.78,8.63 57.01,8.86 69.43,8.86 69.88,9.31 71.68,9.31 71.76,9.38 80.55,9.38 80.58,9.42 80.85,9.42 v1(81.34,9.91)
  In2.Cu w0.15: v1(81.34,9.91) 81.64,10.21 81.64,12.47 80.39,13.72 80.39,15.65 v1(80.37,15.67) ; v1(25.73,9.59) 25.83,9.7 25.83,11.16 26.55,11.88 26.55,22.62 v1(25.93,23.25)
  Bottom w0.15: v1(80.37,15.67) 80.37,16.37 80.82,16.83 ; v1(25.93,23.25) 25.72,23.04 25.72,22.16 26.24,21.63
/GH0: length 10.4
  In2.Cu w0.15: v1(68.43,15.6) 67.94,16.09 67.94,21.32 v1(66.47,22.78)
  Bottom w0.15: v1(66.47,22.78) 66.83,22.43 G1.1 ; v1(68.43,15.6) 69.04,15.6 69.47,16.03
